# Altium PCB 3-as-manufactured.PcbDoc (part 12 of 16)
Units mil, origin at the board's own origin, x right, y up, seen from the top; angles counter-clockwise.
Board outline 4130.55 x 4250 mil, 8 copper layers (L1_TOP, L2_GND, L3_INT, L4_PWR, L5_PWR, L6_INT, L7_GND, L8_BOT), stack 61 mil thick; 584 components, 489 nets, 2229 pads, 1894 vias.
Unrouted connection lines stored in the file: 4.
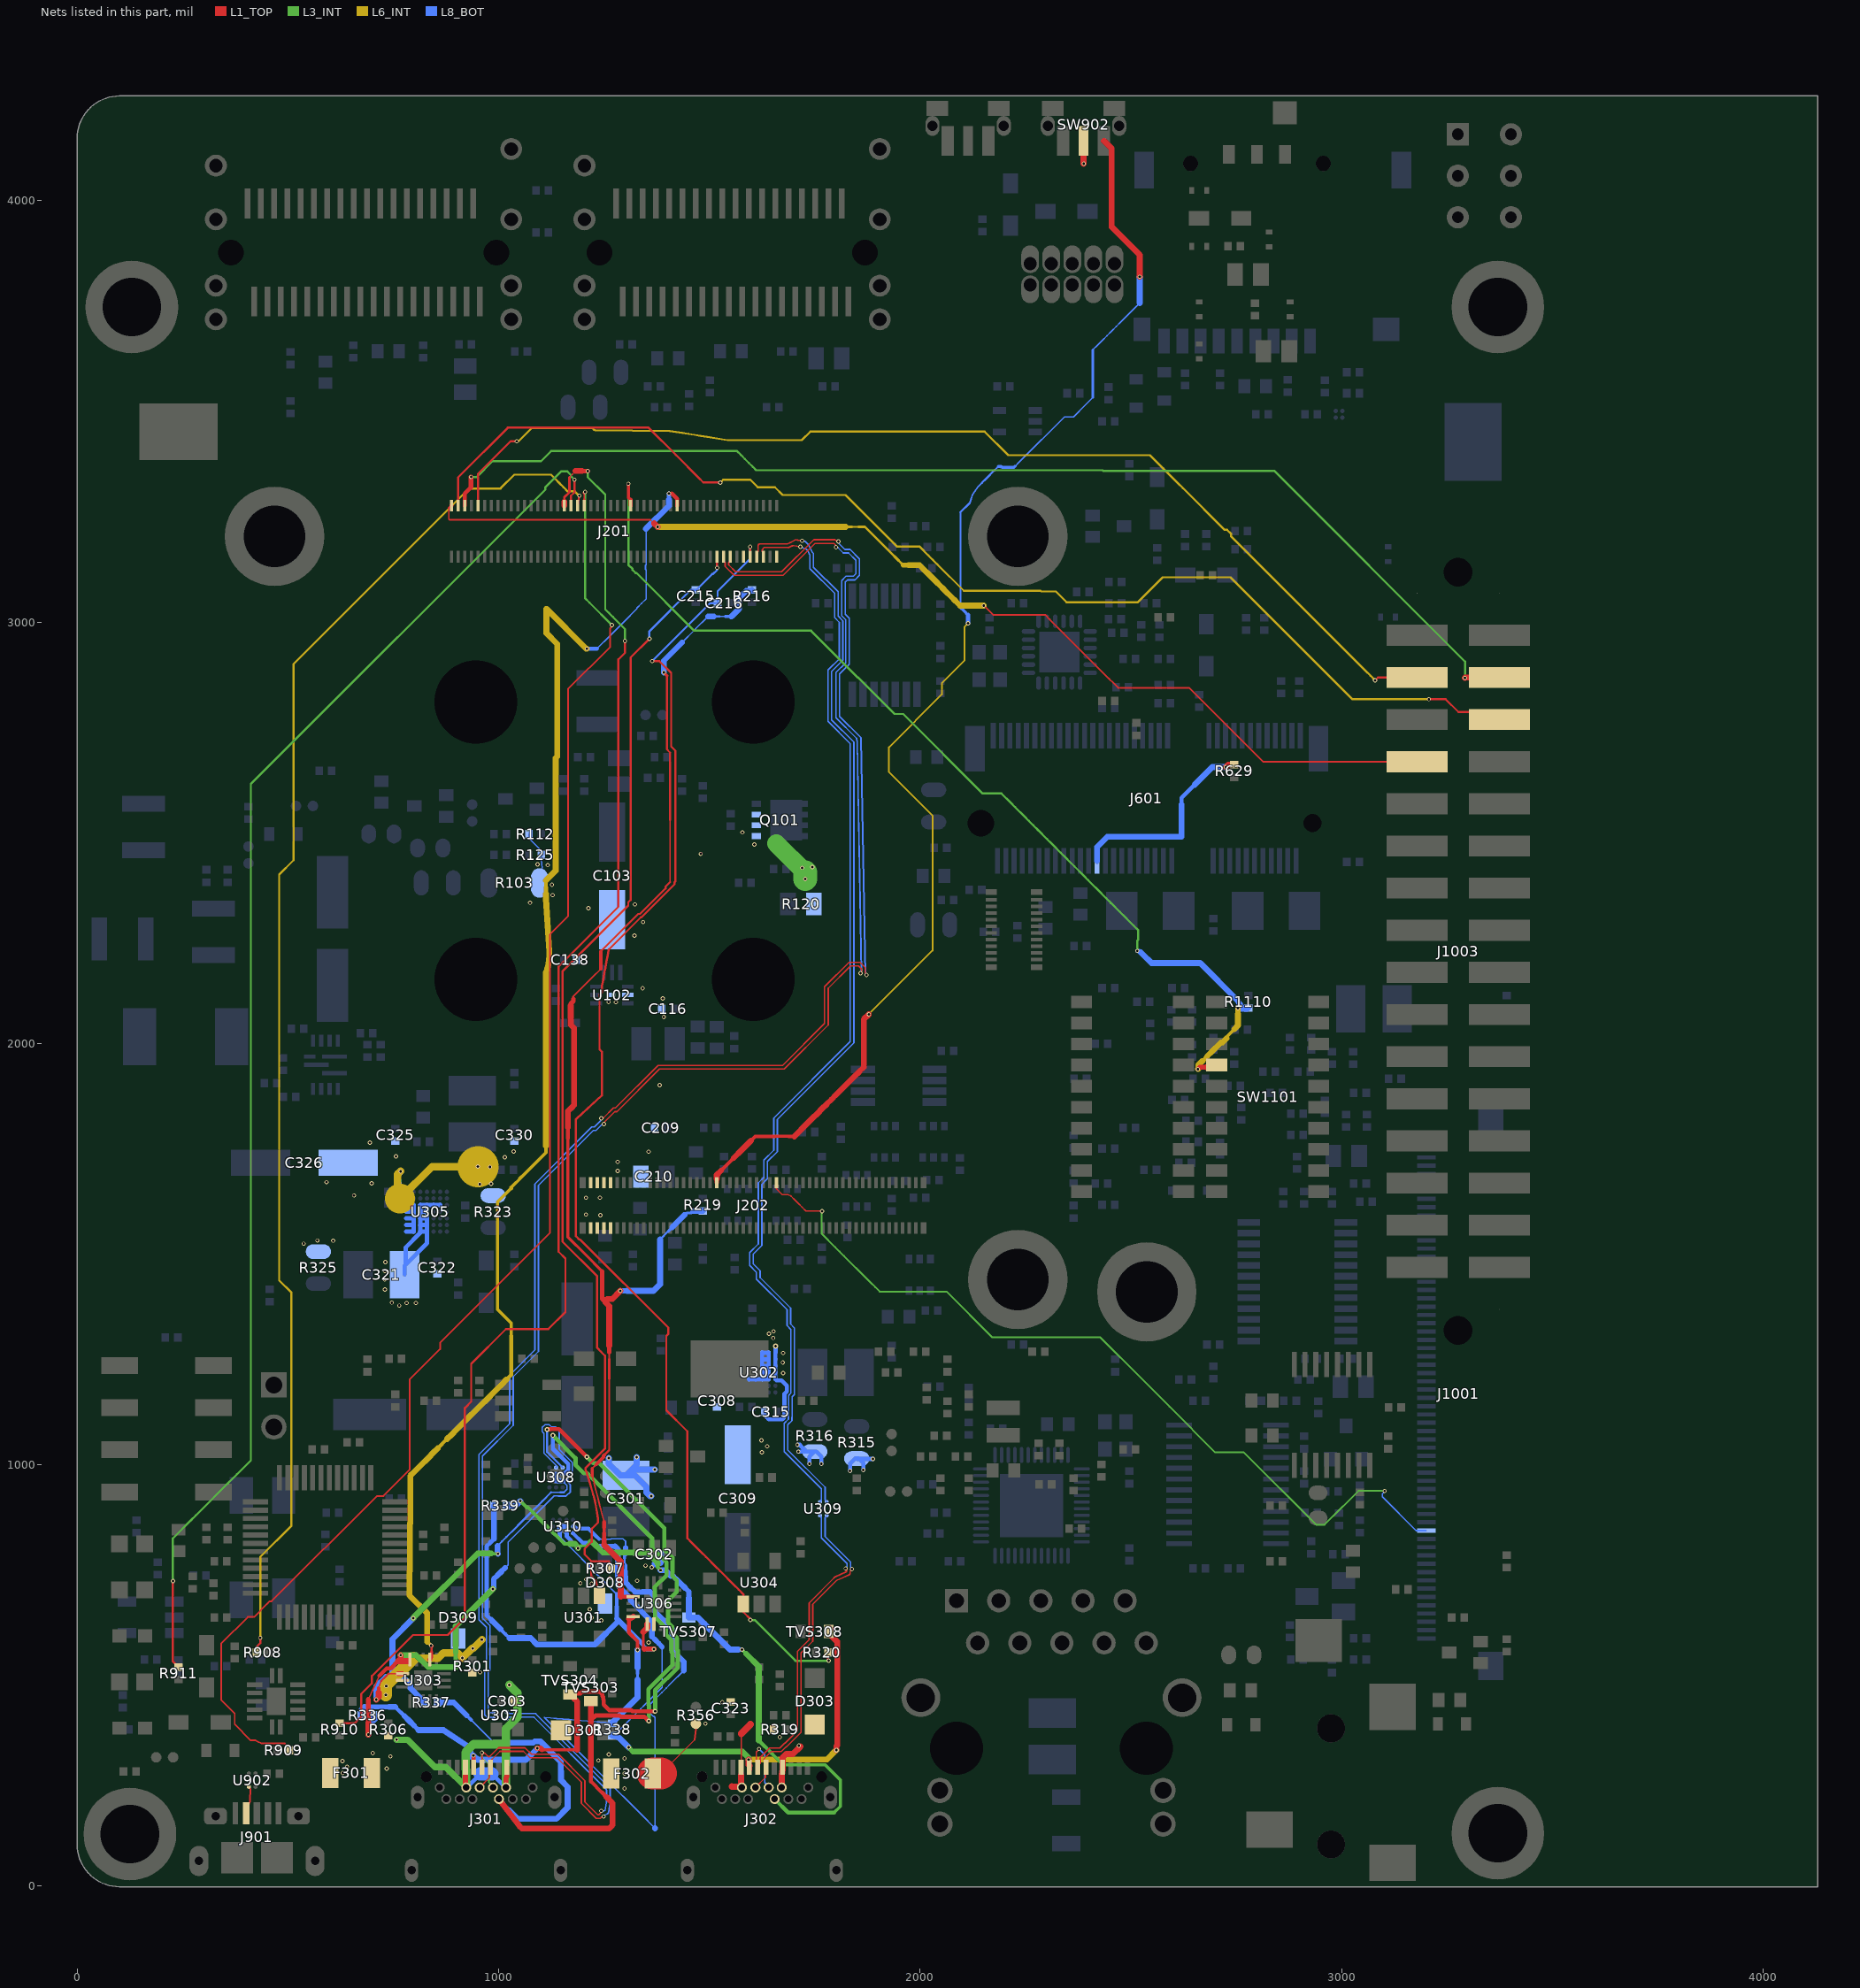
[diagram p18: the nets of this part, all layers, seen from the top]

## Via types
v1: diameter 10, hole 5.9, L1_TOP to L8_BOT, tented both sides, 1703 vias
v2: diameter 12, hole 5.9, L1_TOP to L8_BOT, tented both sides, 110 vias
v3: diameter 10, hole 6, L1_TOP to L8_BOT, tented both sides, 69 vias
v4: diameter 12, hole 6, L1_TOP to L8_BOT, tented both sides, 12 vias

## Nets (pads, with @x,y where several pads share a name; then routed paths per layer and width w, separated by ;. In a path a pad name is that pad's centre, name@x,y a point inside that pad or via, vN(x,y) a via of type N, cw(c..) or ccw(c..) an arc to the next point about the centre after c; other vN are vias at no path point) (continued)
SPDIF_TX: J202.57 J1001.47 | length 2006.4
  L1_TOP w3.5: J202.57@1658.76,1669.65 1658.76,1654.85 1665.57,1648.04 1672.39,1641.22 1686.52,1641.22 1693.59,1637.85 1702.33,1629.11 1711.08,1620.35 1719.84,1611.6 1728.59,1602.85 1766.15,1602.85 v1(1767,1602)
  L3_INT w4.2: v1(1767,1602) 1766.3,1601.3 1766.3,1548.47 1798.12,1516.65 1808.68,1506.09 1819.24,1495.53 1872.03,1442.74 1882.59,1432.18 1893.15,1421.62 1903.71,1411.06 2004.62,1411.06 2062.28,1411.06 2170.6,1302.74 2261.15,1302.74 2381.88,1302.74 2427.16,1302.74 2525.73,1204.16 2536.69,1193.21 2547.64,1182.26 2591.45,1138.45 2700.3,1029.6 2768.02,1029.6 2939.73,857.89 2959.56,857.89 2999.23,897.56 3009.14,907.47 3019.06,917.39 3039.67,938 v1(3102,938)
  L8_BOT w3.5: v1(3102,938) 3102,936.24 3096.71,930.95 3096.71,923.99 3176.72,843.98 J1001.47@3200.73,843.99
SUSCLK_32K: J601.50 R629.1 | length 493.4
  L1_TOP w14.05: v1(2725.29,2655.97) 2730.81,2661.5 R629.1@2745.04,2661.5
  L8_BOT w9.96: 2620.02,2567.41 2620.02,2582.77 2640.92,2603.68 2651.38,2614.13
  L8_BOT w14.05: J601.50@2419.52,2433.28 2419.51,2466.3 2443.8,2490.59 2620.01,2490.59 2620.02,2567.41 ; 2651.38,2614.13 2661.84,2624.59 2672.3,2635.05 2693.21,2655.97 2709.25,2655.97 v1(2725.29,2655.97)
SYS_5V: C103.1 C116.1 C138.1 C209.1 C210.1 J202.1 J202.2 J202.3 J202.4 J202.5 J202.6 J202.7 J202.8 Q101.1 Q101.2 Q101.3 R103.2 R112.1 R120.1 R125.1 U102.8 U102.11 | length 205.9
  L3_INT w43.26: 1658.34,2474.66 1726.97,2406.03
  L3_INT w56.83: v1(1726.97,2390.57) 1726.97,2406.03
  L8_BOT w3.5: R112.1@1071.42,2497.33 1071.42,2487.03 1100.93,2457.53 1100.93,2437.52 1103.08,2416.22
  other v1: 1281.81,1718.97 1355.54,1743.34 1382,1901 1391.47,2062.81 1278,2098 1260.65,2098.64 1389,2107 1341.42,2131.03 1322,2256 1342.52,2288.09 1212.75,2321.24 1323.01,2329.94 1126,2377 1606.24,2472.41 1578,2501
  other v3: 1240.93,1592.51 1207,1594 1207,1634 1240,1634 1282.15,1697.28 1074.35,2334.08 1127.88,2352 1720,2417 1744,2419 1116.27,2423.36 1092,2425 1479,2450
SYS_NRST: J202.39 SW902.2 | length 3141
  L1_TOP w7.92: 1654.88,1779.36 1655.48,1779.96 1687.68,1779.96 1688.29,1779.36 1701.34,1779.36
  L1_TOP w8.94: 1527.18,1698.12 1537.34,1708.28 1547.49,1718.43 1557.64,1728.59 ; 1598.26,1769.2 1608.41,1779.36 1654.88,1779.36
  L1_TOP w9.96: J202.39@1517.03,1669.65 J202.39@1517.03,1678.81
  L1_TOP w13.03: 1557.64,1728.59 1567.8,1738.74 ; 1778.22,1856.23 1789.2,1867.22 1800.18,1878.2 ; 1855.09,1933.11 1866.07,1944.09
  L1_TOP w14.05: J202.39@1517.03,1678.81 1517.03,1687.97 1527.18,1698.12 ; 1567.8,1738.74 1598.26,1769.2 ; 1701.34,1779.36 1712.32,1790.34 1723.3,1801.32 1745.27,1823.29 1756.25,1834.27 1767.23,1845.25 1778.22,1856.23 ; 1800.18,1878.2 1822.15,1900.16 1833.13,1911.14 1844.11,1922.13 1855.09,1933.11 ; 1866.07,1944.09 1866.07,2057.43 v1(1878.05,2069.4) ; v1@2387.54,4088 SW902.2@2387.54,4114.8 ; 2435.76,4142.36 2454.47,4123.65 2454.47,3938.1 2520.91,3871.66 v1(2520.91,3820)
  L6_INT w4: v1(1878.05,2069.4) 2029.37,2220.73 2029.37,2540.92 1998.38,2571.91 1988.05,2582.25 1977.71,2592.58 1925.81,2644.49 1925.81,2702.96 2051.37,2828.53 2051.37,2855.18 2105.03,2908.83 2105.03,2988.65 v1(2113.44,2997.06)
  L8_BOT w3.5: 2123.43,3301.11 2130.22,3311.19 2137.01,3321.26 ; 2225.06,3370.08 2235.73,3380.75 2342.4,3487.42 2364.01,3487.42 2373.14,3496.55 2382.27,3505.68 2391.4,3514.81 2409.67,3533.07 ; 2409.67,3646.33 2420.79,3657.45 2431.92,3668.58 2443.04,3679.7 2454.16,3690.83 2465.29,3701.95 2476.41,3713.08 2509.79,3746.45 2520.91,3757.58
  L8_BOT w3.83: 2095.34,3034.75 2095.34,3260.69 ; 2117.77,3283.11 2120.6,3292.11 2123.43,3301.11 ; 2137.01,3321.26 2146.67,3330.92 ; 2175.65,3359.9 2185.31,3369.56
  L8_BOT w4.85: 2095.34,3260.69 2117.77,3283.11 ; 2146.67,3330.92 2156.33,3340.58 2175.65,3359.9
  L8_BOT w5.87: 2409.67,3533.07 2409.67,3646.33
  L8_BOT w6.9: 2095.34,3034.75 2104.39,3025.71 2113.44,3016.66 ; 2193.64,3368.61 2195.12,3367.13 2222.11,3367.13 2225.06,3370.08
  L8_BOT w7.92: 2185.31,3369.56 2191.02,3369.56 2191.98,3368.61 2193.64,3368.61
  L8_BOT w10.99: v1(2113.44,2997.06) 2113.44,3016.66
  L8_BOT w14.05: 2520.91,3757.58 v1(2520.91,3820)
  other v1: 2388,4088
TCPC_NINT1: J201.70 U303.10 | length 3342.1
  L1_TOP w5.87: 840.39,555.72 v1@840.39,569.83
  L1_TOP w6.9: U303.10@836.51,537.75 840.39,541.62 840.39,555.72
  L1_TOP w7.92: v1(1403.75,3305.52) 1410.46,3305.52
  L1_TOP w8.94: v1(839.27,571.33) 839.27,570.95 v1@840.39,569.83
  L1_TOP w9.96: 1410.46,3305.52 1423.25,3292.74 J201.70@1423.24,3276.42
  L6_INT w6.9: 1029.56,1305.76 1029.56,1336.47 ; 1039.85,1669.13 1050.14,1679.42
  L6_INT w7.92: 830.24,580.36 v1(839.27,571.33) ; 1029.2,1655.98 997.1,1623.88 997.1,1368.92 1029.56,1336.47 ; 1029.56,1658.85 1039.85,1669.13 ; 1050.14,1679.42 1060.42,1689.71 1111.86,1741.14 1111.86,1756.89 ; 1111.86,2371.2 1111.86,2386.95
  L6_INT w8.94: 855.22,1039.31 877.02,1061.11 ; 1018.67,1202.76 1029.56,1213.65 1029.56,1305.76 ; 1029.2,1655.98 1029.56,1656.34 1029.56,1658.85
  L6_INT w9.96: 1111.86,2355.45 1111.86,2371.2
  L6_INT w14.05: 830.24,580.36 830.24,647.6 787.89,689.95 787.89,747.37 788.87,748.34 788.87,860.65 789.85,861.63 789.85,973.94 800.74,984.83 811.64,995.73 833.43,1017.52 844.33,1028.42 855.22,1039.31 ; 877.02,1061.11 887.91,1072 898.81,1082.9 909.7,1093.8 931.5,1115.59 942.39,1126.48 953.29,1137.38 975.08,1159.17 985.98,1170.07 996.87,1180.97 1007.77,1191.86 1018.67,1202.76 ; 1111.86,1756.89 1111.86,1867.15 1111.86,1977.41 1111.86,2168.75 ccw(c1004.43,2211.25) 1119.73,2218.5 1111.86,2343.81 1111.86,2355.45 ; 1111.86,2386.95 1134.97,2410.07 1134.97,2677.49 1138.44,2680.96 1138.44,2948.38 1112.87,2973.94 1112.87,3031.63 1207.52,2937 v1(1209,2937)
  L8_BOT w3.5: 1232.7,2936.71 1243.27,2947.28 1253.85,2957.86 1264.43,2968.43 1275,2979.01 1285.58,2989.58 1296.15,3000.16 1306.73,3010.74 1317.3,3021.31 1327.88,3031.89 1327.88,3033.65 1338.63,3044.4 1349.37,3055.15 1349.37,3124.01 1348.25,3125.13 1348.25,3134.87 1349.37,3135.99 1349.37,3221.61
  L8_BOT w9.96: v1(1209,2937) 1225.5,2936.99 1225.78,2936.71 1232.7,2936.71 ; 1403.75,3290.75 v1(1403.75,3305.52)
  L8_BOT w14.05: 1349.37,3221.61 1403.75,3275.98 1403.75,3290.75
TCPC_NINT2: R216.1 R219.1 U306.10 | length 3127.5
  L1_TOP w3.5: 1176.99,2105.69 1175.23,2107.45 1175.23,2110.35 1211.37,2146.49 1221.57,2156.69 1241.97,2177.09 ; 1221.81,973.37 1224.61,962.51 1227.4,951.66 1230.19,940.81 1234.11,925.59 1238.02,910.37 1241.94,895.16 1245.85,879.94 1249.77,864.72
  L1_TOP w3.83: 1406.57,2383.27 1406.57,2427.32 1406.57,2530.12
  L1_TOP w4.85: 1221.81,991.65 1231.84,1001.68 ; 1241.97,2218.67 1330.74,2307.44 1335,2307.44 1395.59,2368.03 1395.59,2372.29 1406.57,2383.27 ; 1250.33,1023.29 1261.92,1034.88 1261.92,1125.84 1261.92,1204.24 ; 1261.92,1251.29 1261.92,1266.97 ; 1399.08,2873 1399.08,2697.92 1406.57,2690.43 1406.57,2530.12
  L1_TOP w5.87: 1261.92,1204.24 1261.92,1251.29
  L1_TOP w6.9: 1164,1774.79 1164,1540.73 1206.41,1498.31 1245.11,1459.62 ; 1221.81,973.37 1221.81,974.87
  L1_TOP w7.92: 1221.81,974.87 1221.81,991.65 ; 1231.84,1001.68 1248.43,1018.27 1248.43,1021.39 1250.33,1023.29 ; 1241.97,2177.09 1241.97,2218.67 ; 1249.77,837.48 1249.77,851.1 ; v1(1391.59,2880.49) 1399.08,2873
  L1_TOP w8.94: 1164,1774.79 1164,1801.42 ; 1249.77,823.87 1249.77,837.48 ; 1249.77,851.1 1249.77,864.72
  L1_TOP w9.96: 1245.11,1459.62 1245.11,1393.54 ; 1253.51,1385.14 1245.11,1393.54 ; 1257.16,1393.54 1245.11,1393.54 ; 1261.92,1266.97 1261.92,1282.65 ; 1289.26,686.91 U306.10@1318.98,686.9
  L1_TOP w10.99: 1170.57,2090.18 1170.57,2094.23 1176.99,2100.65 1176.99,2105.69
  L1_TOP w12.01: 1249.77,810.25 1249.77,823.87
  L1_TOP w14.05: 1164,1801.42 1164,1839.42 1174.52,1849.94 1178.53,1853.95 1178.53,2036.57 1170.57,2044.53 1170.57,2090.18 ; 1249.77,810.25 1289.26,770.76 1289.26,686.91 ; 1253.51,1385.14 1261.92,1376.73 1261.92,1282.65 ; 1257.16,1393.54 1269.21,1393.54 v1(1288.5,1412.83)
  L8_BOT w3.83: 1434.85,2951.74 1465.71,2982.61 1465.71,2982.87 1496.58,3013.74 ; 1524.05,3013.74 1537.78,3013.74
  L8_BOT w4.85: 1382.6,1534.96 1401.95,1554.32
  L8_BOT w5.87: 1440.66,1593.02 1445.5,1597.86 1456.82,1597.86 1461.65,1602.7 ; 1510.31,3013.74 1524.05,3013.74
  L8_BOT w6.9: 1401.95,1554.32 1411.63,1563.99
  L8_BOT w7.92: 1537.78,3013.74 1551.51,3013.74
  L8_BOT w13.03: v1(1288.5,1412.83) 1304.18,1412.83
  L8_BOT w14.05: 1304.18,1412.83 1366.92,1412.83 1382.6,1428.51 1382.6,1534.96 ; v1(1391.59,2880.49) 1391.59,2908.48 1434.85,2951.74 ; 1411.63,1563.99 1440.66,1593.02 ; 1461.65,1602.7 R219.1@1484.31,1602.68 ; 1496.58,3013.74 1510.31,3013.74 ; 1551.51,3013.74 1552.59,3013.74 1570.06,3031.21 1570.06,3057.1 1587.53,3074.57 1598.46,3074.57 R216.1@1600.43,3076.54
TEST_MODE: J201.56 R1110.1 SW1101.4 | length 2447.1
  L1_TOP w7.92: v1(1307.51,3328.54) 1307.51,3296.02 1313.01,3290.52
  L1_TOP w9.96: J201.56@1313,3276.42 1313.01,3290.52 ; v1(2659.06,1939.26) 2663.58,1943.78
  L1_TOP w12.01: 2663.58,1943.78 2678.62,1943.78
  L1_TOP w14.05: 2678.62,1943.78 SW1101.4@2703.63,1948.79
  L3_INT w5: v1(1307.51,3328.54) 1307.51,3254.54 1307.51,3150.93 1307.51,3136.13 1317.5,3126.13 1317.5,3123.82 1324.82,3116.5 1327.13,3116.5 1463.96,2979.68 1558.72,2979.68 1683.92,2979.68 1741.06,2979.68 1852.24,2868.5 1852.98,2868.5 1939.48,2782 1959.86,2782 2148.44,2593.41 2192.64,2593.41 2214.29,2571.76 2225.11,2560.94 2246.76,2539.29 2257.59,2528.47 2268.41,2517.64 2279.24,2506.82 2300.88,2485.17 2311.71,2474.35 2333.36,2452.7 2344.18,2441.87 2355.01,2431.05 2365.83,2420.22 2387.48,2398.58 2398.3,2387.75 2409.13,2376.93 2419.95,2366.1 2441.6,2344.45 2452.42,2333.63 2474.07,2311.98 2484.9,2301.16 2495.72,2290.33 2506.55,2279.51 2517.37,2268.68 2517.37,2246.19 2515.01,2243.83 v1(2515.01,2219.99)
  L6_INT w7.92: 2726.47,2012.03 2726.47,2015.17 2745,2033.71
  L6_INT w9.96: 2670.03,1958.74 2681.01,1969.71
  L6_INT w13.03: 2681.01,1969.71 2691.98,1980.68 ; 2754.14,2070.17 v1(2754.14,2083.83)
  L6_INT w14.05: v1(2659.06,1939.26) 2659.75,1939.95 2659.75,1948.45 2670.03,1958.74 ; 2691.98,1980.68 2713.92,2002.63 2717.07,2002.63 2726.47,2012.03 ; 2745,2033.71 2754.14,2042.85 2754.14,2070.17
  L8_BOT w9.96: v1(2515.01,2219.99) 2519.85,2219.98 2523.01,2216.82 ; v1(2754.14,2083.83) v1@2755.56,2082.4
  L8_BOT w13.03: 2752.08,2103.21 2757.9,2093.66
  L8_BOT w14.05: 2523.01,2216.82 2528.64,2211.19 2548.96,2190.87 2664.42,2190.87 2752.08,2103.21 ; v1@2755.56,2082.4 2774.42,2082.4 R1110.1@2778.21,2084.13 2763.71,2084.11 2761.25,2088.16 2757.9,2093.66
UART2_RXD: J201.36 R910.2 | length 3553.1
  L1_TOP w3.5: 1167.42,3343.66 1174.93,3351.17 1182.45,3358.68
  L1_TOP w5: R910.2@621.7,387.09 658.56,387.09 673.75,402.28 673.75,456.43 698.75,481.43 698.75,498.76 796.28,596.29 878.86,596.29 919,636.43 919,727.47 919.52,727.99 919.52,1135.12 934.57,1150.17 934.57,1240.04 1016.8,1322.27 1117.47,1322.27 1158,1362.8 1158,1490 1142,1506 1142,2182.93 1283.85,2324.78 1283.85,2788.07 1283.85,2911.61 1299.42,2927.19 v1(1299.42,2955.58)
  L1_TOP w5.87: J201.36@1155.53,3286.32 1155.53,3296.22 1167.42,3308.11 1167.42,3343.66
  L1_TOP w10.99: 1197,3358.68 v1(1210.95,3358.68)
  L1_TOP w13.03: J201.36@1155.52,3276.42 J201.36@1155.53,3286.32
  L1_TOP w14.05: 1182.45,3358.68 1197,3358.68
  L3_INT w5: v1(1210.95,3358.68) 1210.95,3344.03 1252.5,3302.48 1252.5,3030.54 1261.41,3021.63 1270.92,3012.13 1280.42,3002.62 1289.92,2993.12 1299.42,2983.62 v1(1299.42,2955.58)
UART2_TXD: J201.38 R911.2 | length 3331.6
  L1_TOP w5: v1(226.59,724.4) 226.59,679.94 226.59,533.48 233.37,526.69 R911.2@240.16,519.9 ; J201.38@1171.27,3276.42 1171.28,3300.03 1179.63,3308.39 v1(1179.63,3338)
  L3_INT w5: v1(226.59,724.4) 226.59,825.46 270.12,869 281.01,879.88 291.89,890.76 357.19,956.07 368.08,966.95 378.96,977.83 411.61,1010.49 411.61,1104.68 411.61,1245.98 411.61,1481.47 411.61,1669.86 411.61,1795.46 411.61,1999.55 411.61,2203.65 411.61,2392.04 411.61,2454.84 411.61,2615.86 ; 411.62,2615.87 1110.56,3314.82 1110.56,3320.61 1147.5,3357.55 1162.9,3357.55 1170.79,3349.66 1170.79,3346.85 v1(1179.63,3338)
UART3_CTS: J201.10 J1003.7 | length 2611.6
  L1_TOP w5: J201.10@950.8,3276.42 950.81,3352.18 1028.03,3429.41 v1(1042.82,3429.41) ; v1(3079.38,2861.99) 3086.17,2868.78 J1003.7@3179.19,2868.79
  L6_INT w5: v1(1042.82,3429.41) 1046.62,3429.41 1077.63,3460.42 1178.65,3460.42 1221.94,3460.42 1224.72,3457.64 1226.15,3456.21 1228.42,3455.5 1405.89,3453.85 1420.61,3451.5 1435.32,3449.14 1450.04,3446.79 1464.76,3444.43 1479.47,3442.08 1494.19,3439.72 1542.43,3432 1719.05,3432 1739.25,3452.2 1999.69,3452.2 2152.88,3452.2 2208.91,3396.17 2468.77,3396.17 2545.19,3396.17 2600.84,3340.53 2611.97,3329.4 2623.1,3318.27 2722.25,3219.12 2728.05,3219.12 2738.03,3209.14 2738.03,3203.34 2934.7,3006.66 3023.73,2917.63 3057.12,2884.25 3068.25,2873.12 v1(3079.38,2861.99)
UART3_RTS: J201.2 J1003.11 | length 2570.7
  L1_TOP w3.5: 881.55,3270.16 881.55,3244.38 882.87,3243.07 928.75,3243.07 1021.13,3243.07 1159.7,3243.07 1359.85,3243.07 1368.4,3234.52
  L1_TOP w4: v1(2150.81,3039.39) 2172.87,3017.33 2281.11,3017.33 2296.57,3017.33 2307.39,3006.51 2339.87,2974.03 2350.69,2963.21 2404.81,2909.09 2415.63,2898.27 2448.11,2865.8 2458.93,2854.97 2469.75,2844.15 2546.36,2844.15 2638.28,2844.15 2813.65,2668.78 J1003.11@3179.19,2668.79
  L1_TOP w5.87: 881.55,3270.16 J201.2@887.8,3276.42
  L1_TOP w14.05: 1368.4,3234.52 v1(1376.92,3226)
  L6_INT w3.83: 1838.3,3226 1853.68,3226
  L6_INT w5.87: 1853.68,3226 1869.06,3226 1939.6,3155.46 ; 1949.68,3145.38 1959.75,3135.3
  L6_INT w6.9: 1822.92,3226 1838.3,3226 ; 1939.6,3155.46 1949.68,3145.38
  L6_INT w10.99: 1959.75,3135.3 1972.67,3135.3
  L6_INT w13.03: 2041.13,3092.68 2051.78,3082.02 ; 2083.75,3050.05 2094.41,3039.39
  L6_INT w14.05: v1(1376.92,3226) 1592.23,3226 1730.64,3226 1822.92,3226 ; 1972.67,3135.3 1998.5,3135.3 2009.16,3124.64 2019.82,3113.99 2041.13,3092.68 ; 2051.78,3082.02 2062.44,3071.36 2073.1,3060.71 2083.75,3050.05 ; 2094.42,3039.39 v1(2150.81,3039.39)
UART3_RXD: J201.4 J1003.10 | length 2928.3
  L1_TOP w5: J201.4@903.55,3276.42 903.56,3343.63 1021.47,3461.54 1188.45,3461.54 1355.43,3461.54 1420.35,3396.62 1474.45,3342.52 1485.27,3331.7 1524.61,3331.7 v1(1525.4,3330.91) ; v1(3207,2817) 3246.9,2817 3277.14,2786.76 3356.09,2786.76 J1003.10@3374.07,2768.79
  L6_INT w5: v1(1525.4,3330.91) 1532.49,3338 1596.63,3338 1614.48,3320.15 1655.33,3320.15 1673.6,3301.88 1822.57,3301.88 1831.11,3293.34 1839.64,3284.8 1850.16,3274.29 1860.68,3263.77 1871.19,3253.25 1881.71,3242.74 1892.22,3232.22 1902.74,3221.71 1913.26,3211.19 1923.77,3200.67 1934.29,3190.16 1944.81,3179.64 1998.27,3179.64 2019.3,3158.61 2029.81,3148.09 2040.33,3137.58 2103.42,3074.49 2164.21,3074.49 2285.8,3074.49 2287.49,3072.8 2321.97,3072.8 2347.23,3047.54 2516.48,3047.54 2575.5,3106.56 2736.28,3106.56 3025.84,2817 v1(3207,2817)
UART3_TXD: J201.6 J1003.8 | length 2785.5
  L1_TOP w9.96: J201.6@919.3,3276.42 919.31,3305.3 926.75,3312.74 934.18,3320.18
  L1_TOP w12.01: 934.18,3320.18 v1(934.18,3344.49)
  L1_TOP w14.05: v1(3292.68,2867.78) 3293.68,2868.78 J1003.8@3374.07,2868.79
  L3_INT w5: v1(934.18,3344.49) 947.83,3344.49 985.45,3382.11 1014.12,3382.11 1100.15,3382.11 1123.99,3405.95 1297.36,3405.95 1565.31,3405.95 1574.63,3396.63 1583.94,3387.31 1593.26,3377.99 1602.58,3368.67 1610.75,3360.51 2432.53,3360.51 2433.83,3359.2 2839.8,3359.2 3292.68,2906.32 v1(3292.68,2867.78)
UART4_RXD: J201.40 R908.2 | length 3315.4
  L1_TOP w5: R908.2@424.47,554.94 424.47,567.12 434,576.65 v1(434,589.58) ; J201.40@1187.02,3276.42 1188.43,3286.28 1188.52,3287.92 v1(1191.18,3300)
  L6_INT w5: v1(434,589.58) 434,781.63 507.91,855.55 507.91,1408.63 478.89,1437.65 478.89,2401.1 512.94,2435.15 512.94,2900.53 929.72,3317.31 1004.04,3317.31 1036.81,3350.08 1123.83,3350.08 1133.73,3340.18 1143.62,3330.29 1153.51,3320.39 1163.41,3310.5 1180.46,3310.5 1190.95,3300 v1(1191.18,3300)
UART4_TXD: J201.42 R909.2 | length 3558.9
  L1_TOP w3.83: 1202.78,3291.74 v1@1202.78,3307.06
  L1_TOP w4: R909.2@503.75,322.52 503.76,327.41 492.32,338.86 436.67,338.86 429.34,342.44 421.53,346.27 411.47,346.27 373.34,384.4 373.34,410.32 341.25,442.41 341.25,575.46 404.69,638.9 419.29,638.9 451.26,670.87 456.52,676.13 460.84,676.13 710.89,926.19 726.19,926.19 788.28,988.28 788.28,1202.28 860.69,1274.69 860.69,1289.69 1121,1550 1121,2259 1164,2302 1164,2841 1264.32,2941.32 1264.32,2985.33 1267.39,2988.41 1267.39,2992.66 v1(1268.11,2993.37)
  L1_TOP w5.87: J201.42@1202.76,3276.42 1202.78,3291.74
  L1_TOP w7.92: v1@1202.78,3307.06 v1(1204.64,3308.93)
  L3_INT w5: v1(1204.64,3308.93) 1204.64,3230.15 1204.64,3056.84 1215.22,3046.26 v1(1268.11,2993.37)
USB1_CC1: R336.2 U303.13 U308.A2 | length 1310.1
  L1_TOP w3.5: 690.41,442.78 696.97,457.01 703.52,471.24 710.08,485.47 716.63,499.7
  L1_TOP w8.94: 716.63,499.7 733.96,517.02
  L1_TOP w9.96: 733.96,517.02 743.41,517.02 760.74,534.35
  L1_TOP w12.01: 690.41,387.5 690.41,442.78
  L1_TOP w13.03: 767.04,537.5 v1(767.04,548.38)
  L1_TOP w14.05: v1(690.41,359.85) 690.41,387.5 ; 760.74,534.35 770.19,534.35 ; 767.04,537.5 770.19,534.35 ; U303.13@786.24,534.35 770.19,534.35
  L3_INT w10.99: 897.65,520 897.65,554.43
  L3_INT w12.01: 897.65,554.43 897.65,570.14
  L3_INT w14.05: v1(767.04,548.38) 803.62,548.38 832,520 897.65,520 ; 897.65,570.14 897.65,617.28 v1(985.8,705.42)
  L8_BOT w3.5: 1014.67,755.4 1022.14,762.87 1022.14,816.63 1131.65,926.13 1141.48,926.13 ; U308.A2@1138.23,995.86 1138.7,996.34 1107.32,1027.73 1107.32,1074.63 1102.82,1079.13 1102.82,1088.86 1109.7,1095.75 1119.44,1095.75 1125.6,1089.58 1135.7,1089.58 1143.46,1081.83 1143.46,1036.53 1174.45,1005.54 1174.45,984.18 1164.45,974.18 1164.45,958.45 1167.57,955.32 1168.04,954.74 1169.75,952.09 ; 1169.77,936.21 1169.77,952.07
  L8_BOT w3.83: 1141.49,926.14 1159.7,926.14 1169.77,936.21
  L8_BOT w4.85: U308.A2@1135.95,993.6 U308.A2@1138.23,995.86
  L8_BOT w8.94: v1(985.8,705.42) v1@987.83,707.46
  L8_BOT w13.03: v1@987.83,707.46 987.83,728.55 996.78,737.5 ; 1005.72,746.45 1014.67,755.39
  L8_BOT w14.05: v1(690.41,359.85) 690.41,380.94 705.62,396.16 R336.2@702.82,405.53 ; 996.78,737.5 1005.72,746.45
USB1_CC1_CN: J301.A5 R336.1 TVS304.2 U308.A1 | length 1975.6
  L1_TOP w6.9: 1102.29,324.38 1102.95,323.72 1186,323.72
  L1_TOP w8.94: v1(940,310) 940,309.71 940.21,309.51 940.21,282.34 J301.A5@940.4,282.15
  L1_TOP w10: v2(1114.57,1083.99) 1114.95,1084.38 1121.16,1084.38 1121.79,1085 1142.76,1085 v2(1209.02,1018.74) ; TVS304.2@1168.9,455.41 1171.24,457.74 1194.05,457.74 1198.11,461.81 1239.23,461.81 1245.67,455.36 1245.67,451.12 1247.65,449.14 1247.65,443.62 1248.71,442.56 1248.71,431.29 1262,418 1313.73,418 1316.73,415 v2(1371,415)
  L1_TOP w13.03: v1(1091.46,327.36) 1099.3,327.36 1102.29,324.38
  L1_TOP w14.05: TVS304.2@1168.9,455.41 1172.9,455.41 1177.88,450.43 1177.88,446.45 1186,438.33 1186,323.72
  L3_INT w10: v2(1209.02,1018.74) 1223.55,1004.22 1238.91,1004.22 1393,850.13 1393,839 1393,799 1412,780 1412,735.86 1422.37,725.49 1422.37,698.28 1401.51,677.41 1401.51,626.02 1411,616.53 1411,601 1422.95,589.05 1422.95,561.24 1425,559.18 1425,519 1371,465 v2(1371,415)
  L8_BOT w5: v2(1114.57,1083.99) 1114.57,1030.73 U308.A1@1151.7,993.6
  L8_BOT w8.94: 754.58,425.43 776.54,403.47
  L8_BOT w10.99: 681.08,425.43 739.88,425.43 ; 798.49,381.52 809.47,370.54
  L8_BOT w13.03: 787.51,392.5 798.49,381.52 ; 935.44,306.89 936.89,306.89 v1(940,310) ; 1077.62,312.85 1091.46,326.69 v1(1091.46,327.36)
  L8_BOT w14.05: R336.1@673.3,405.53 675.27,407.49 675.27,419.62 681.08,425.43 ; 739.88,425.43 754.58,425.43 ; 776.54,403.47 787.51,392.5 ; 809.47,370.54 868.76,370.54 931.11,328.77 935.02,309.01 935.44,306.89 ; v1(940,310) 950,300 1064.77,300 1077.62,312.85
USB1_CC2: R337.2 U303.14 U308.B2 U308.C1 U308.C2 | length 1012.6
  L1_TOP w3.5: 714.93,470.55 717.76,478.49 720.59,486.43
  L1_TOP w3.83: 738.43,504.27 U303.14@760.51,504.27
  L1_TOP w4.85: 720.59,486.43 729.51,495.35 738.43,504.27
  L1_TOP w7.92: 714.93,459.58 714.93,470.55